# Allegro board Learn.brd (continued)
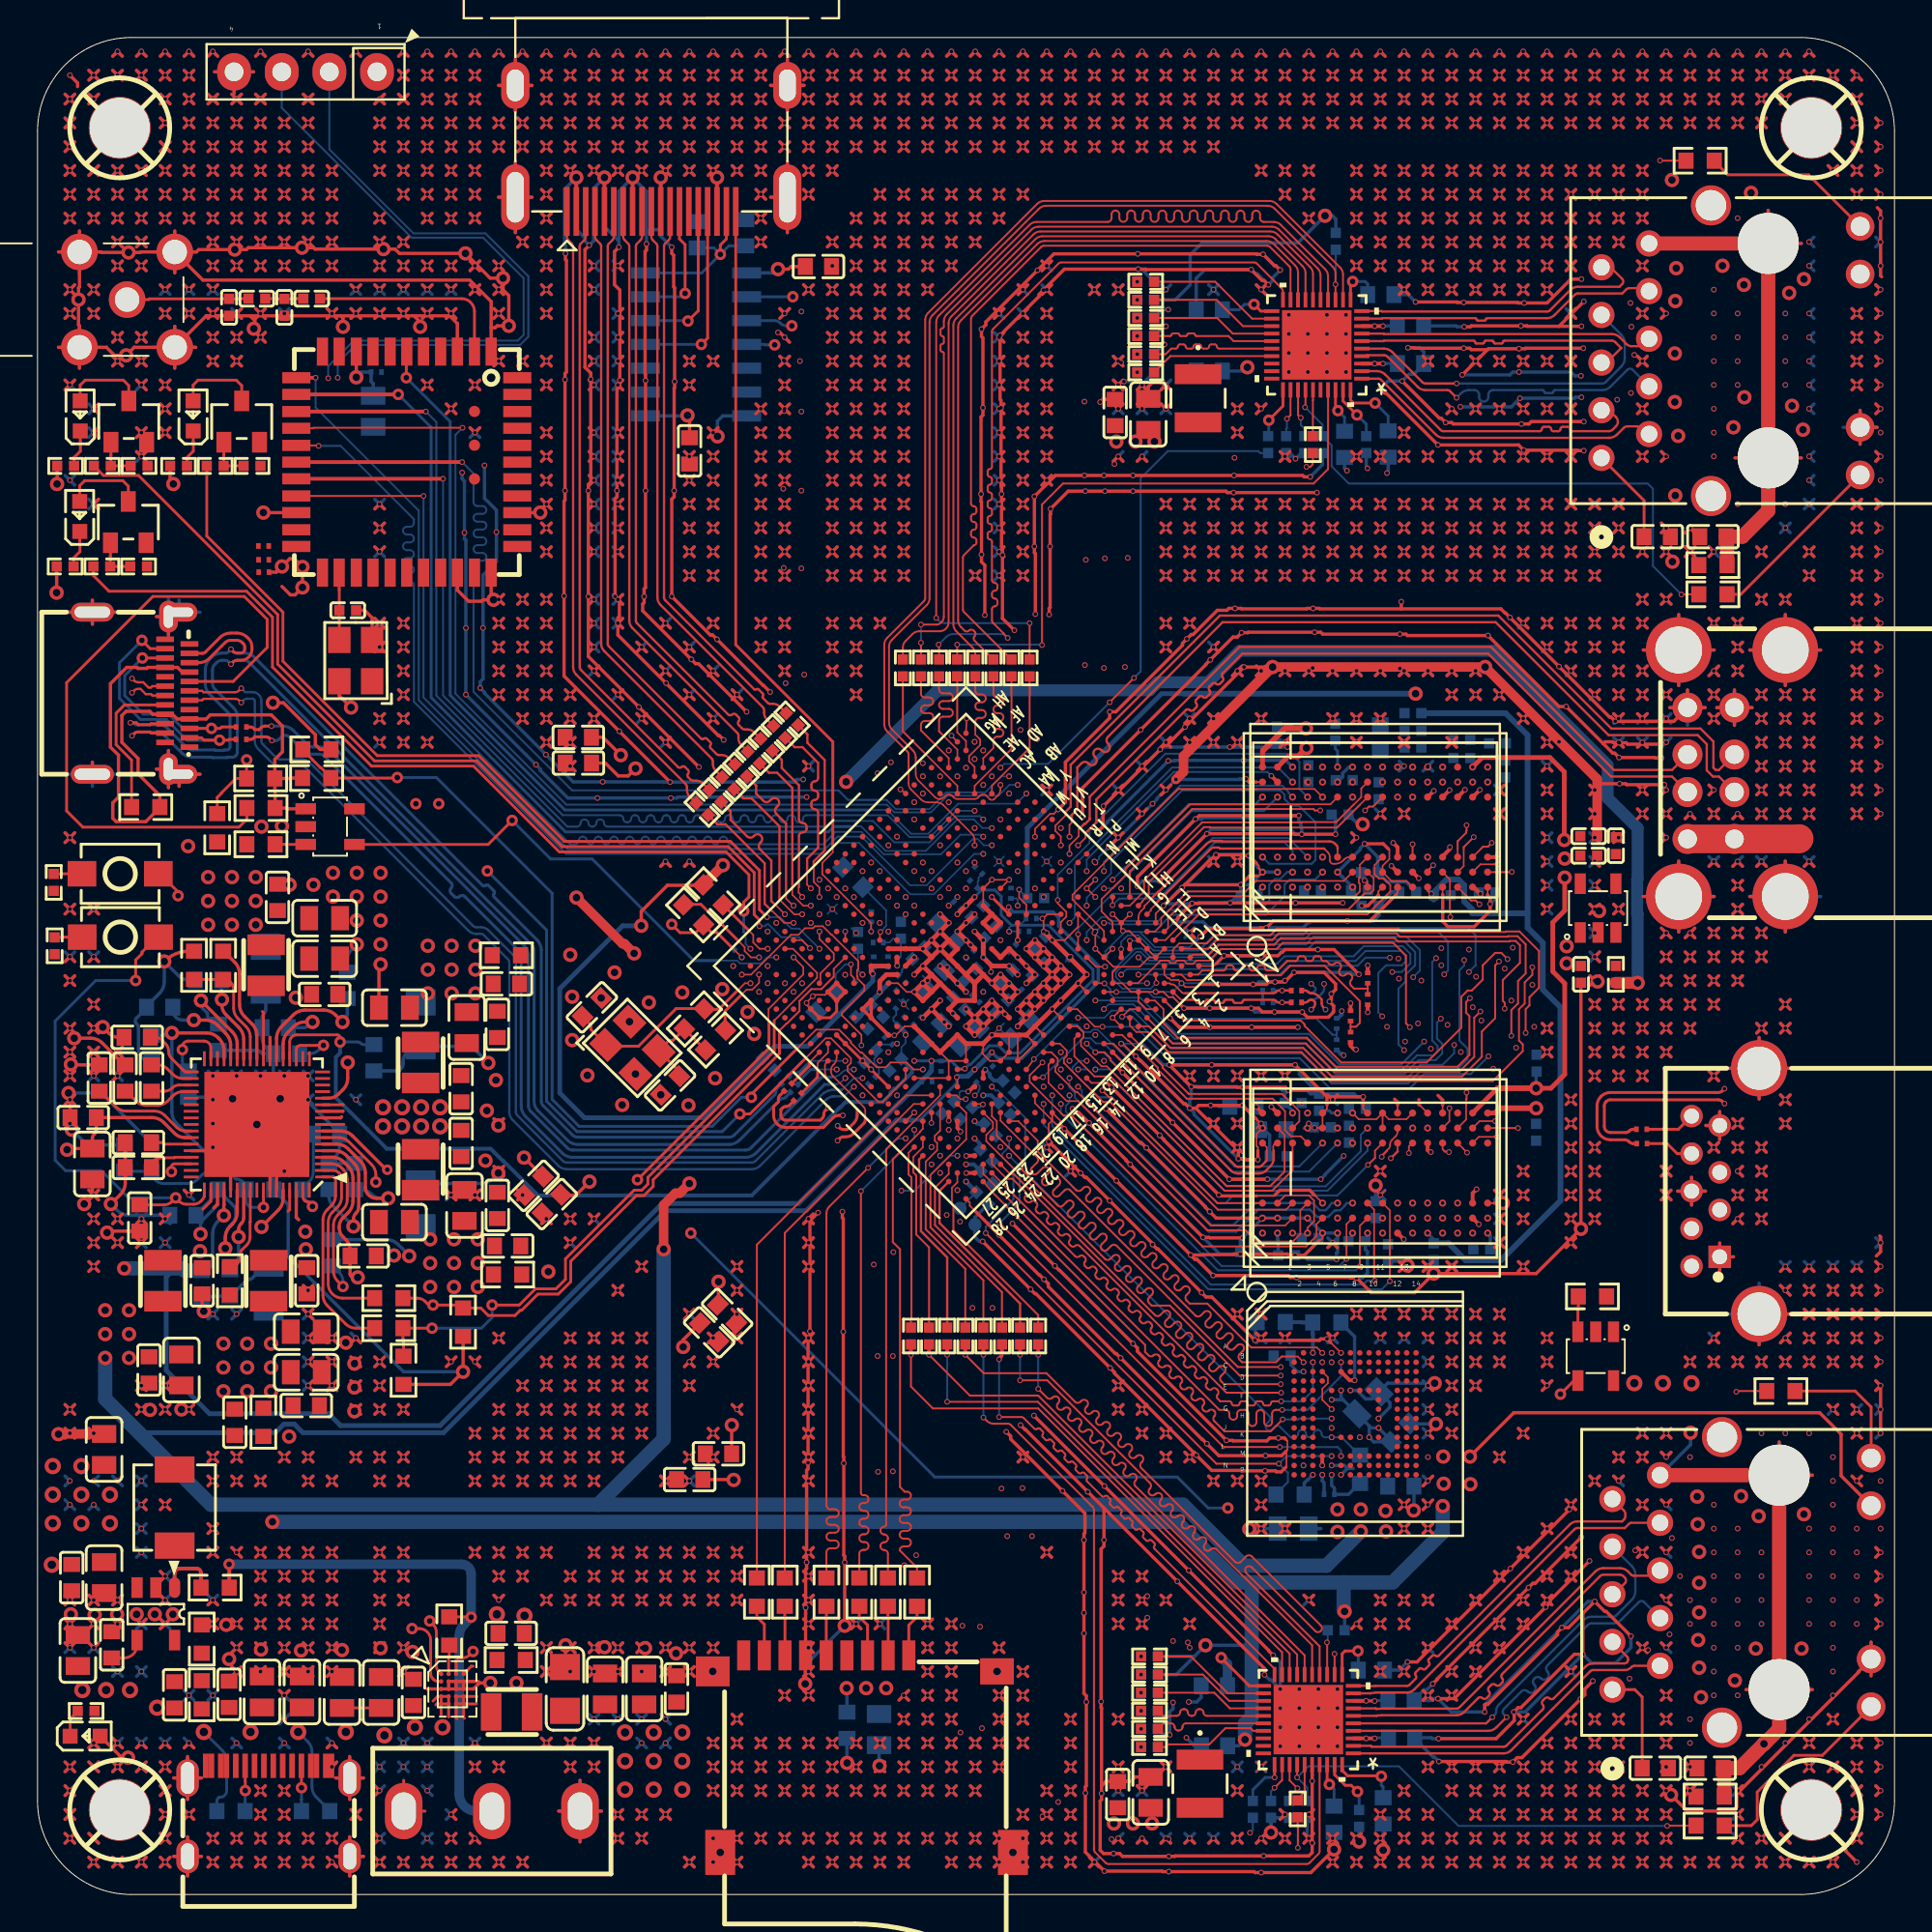
[diagram p0: board, top side]
## Routing (per net, layer and track width the routed paths; a pad name or vN(x,y) marks a point on that pad's centre or on a via; arc(x,y) is an arc through that point) (continued)
46.43,3.25 ; v1(46.17,2.99) 45.92,2.74 ; 75.13,89.61 v1(75.38,89.35) ; v1(75.38,89.35) 75.64,89.1 ; v1(75.38,89.35) 75.13,89.1 ; v1(75.38,89.35) 75.64,89.61 ; 9.09,87.07 v1(9.34,86.81) ; v1(9.34,86.81) 9.6,86.56 ; v1(9.34,86.81) 9.6,87.07 ; v1(9.34,86.81) 9.09,86.56 ; v1(28.39,93.16) 28.65,92.91 ; v1(28.39,93.16) 28.65,93.42 ; v1(28.39,93.16) 28.14,93.42 ; v1(28.39,93.16) 28.14,92.91 ; 97.99,7.06 v1(98.24,6.8) ; v1(98.24,6.8) 98.5,7.06 ; v1(98.24,6.8) 97.99,6.55 ; v1(98.24,6.8) 98.5,6.55 ; 71.32,97.99 v1(71.57,98.24) ; v1(71.57,98.24) 71.83,98.5 ; v1(71.57,98.24) 71.83,97.99 ; v1(71.57,98.24) 71.32,98.5 ; 71.32,91.64 v1(71.57,91.89) ; v1(71.57,91.89) 71.83,91.64 ; v1(71.57,91.89) 71.83,92.15 ; v1(71.57,91.89) 71.32,92.15 ; 64.97,30.68 v1(65.22,30.93) ; v1(65.22,30.93) 65.48,31.19 ; v1(65.22,30.93) 64.97,31.19 ; v1(65.22,30.93) 65.48,30.68 ; v1(8.07,94.43) 8.33,94.18 ; v1(8.07,94.43) 7.82,94.18 ; v1(8.07,94.43) 7.82,94.69 ; v1(8.07,94.43) 8.33,94.69 ; 75.13,14.68 v1(75.38,14.42) ; v1(75.38,14.42) 75.64,14.68 ; v1(75.38,14.42) 75.13,14.17 ; v1(75.38,14.42) 75.64,14.17 ; v1(30.93,63.95) 31.19,63.7 ; v1(30.93,63.95) 31.19,64.21 ; v1(30.93,63.95) 30.68,64.21 ; v1(30.93,63.95) 30.68,63.7 ; v1(96.97,80.46) 97.23,80.21 ; v1(96.97,80.46) 96.72,80.72 ; v1(96.97,80.46) 97.23,80.72 ; v1(96.97,80.46) 96.72,80.21 ; 35.76,91.64 v1(36.01,91.89) ; v1(36.01,91.89) 36.27,91.64 ; v1(36.01,91.89) 35.76,92.15 ; v1(36.01,91.89) 36.27,92.15 ; v1(98.24,33.47) 98.5,33.22 ; v1(98.24,33.47) 98.5,33.73 ; v1(98.24,33.47) 97.99,33.73 ; v1(98.24,33.47) 97.99,33.22 ; 14.17,90.37 v1(14.42,90.62) ; v1(14.42,90.62) 14.68,90.37 ; v1(14.42,90.62) 14.68,90.88 ; v1(14.42,90.62) 14.17,90.88 ; v1(47.44,86.81) 47.7,86.56 ; v1(47.44,86.81) 47.19,87.07 ; v1(47.44,86.81) 47.7,87.07 ; v1(47.44,86.81) 47.19,86.56 ; 68.78,29.92 v1(69.03,29.66) ; v1(69.03,29.66) 68.78,29.41 ; v1(69.03,29.66) 69.29,29.92 ; v1(69.03,29.66) 69.29,29.41 ; v1(90.62,95.7) 90.88,95.45 ; v1(90.62,95.7) 90.37,95.96 ; v1(90.62,95.7) 90.37,95.45 ; v1(90.62,95.7) 90.88,95.96 ; 66.24,97.23 v1(66.49,96.97) ; v1(66.49,96.97) 66.75,96.72 ; v1(66.49,96.97) 66.75,97.23 ; v1(66.49,96.97) 66.24,96.72 ; 59.89,15.44 v1(60.14,15.69) ; v1(60.14,15.69) 60.4,15.44 ; v1(60.14,15.69) 60.4,15.95 ; v1(60.14,15.69) 59.89,15.95 ; 47.19,95.45 v1(47.44,95.7) ; v1(47.44,95.7) 47.7,95.96 ; v1(47.44,95.7) 47.7,95.45 ; v1(47.44,95.7) 47.19,95.96 ; 49.73,70.05 v1(49.98,70.3) ; v1(49.98,70.3) 49.73,70.56 ; v1(49.98,70.3) 50.24,70.56 ; v1(49.98,70.3) 50.24,70.05 ; 82.75,47.19 v1(83,47.44) ; v1(83,47.44) 83.26,47.19 ; v1(83,47.44) 82.75,47.7 ; v1(83,47.44) 83.26,47.7 ; 10.36,3.25 v1(10.61,2.99) ; v1(10.61,2.99) 10.87,2.74 ; v1(10.61,2.99) 10.87,3.25 ; v1(10.61,2.99) 10.36,2.74 ; 72.59,92.15 v1(72.84,91.89) ; v1(72.84,91.89) 72.59,91.64 ; v1(72.84,91.89) 73.1,91.64 ; v1(72.84,91.89) 73.1,92.15 ; v1(52.52,70.3) 52.78,70.05 ; v1(52.52,70.3) 52.27,70.05 ; v1(52.52,70.3) 52.78,70.56 ; v1(52.52,70.3) 52.27,70.56 ; v1(65.22,65.22) 65.48,64.97 ; v1(65.22,65.22) 64.97,65.48 ; v1(65.22,65.22) 64.97,64.97 ; v1(65.22,65.22) 65.48,65.48 ; v1(88.08,28.39) 88.34,28.14 ; v1(88.08,28.39) 87.83,28.14 ; v1(88.08,28.39) 88.34,28.65 ; v1(88.08,28.39) 87.83,28.65 ; v1(53.79,95.7) 54.05,95.45 ; v1(53.79,95.7) 54.05,95.96 ; v1(53.79,95.7) 53.54,95.96 ; v1(53.79,95.7) 53.54,95.45 ; 53.54,84.02 v1(53.79,84.27) ; v1(53.79,84.27) 54.05,84.02 ; v1(53.79,84.27) 54.05,84.53 ; v1(53.79,84.27) 53.54,84.53 ; v1(60.14,61.41) 60.4,61.16 ; v1(60.14,61.41) 59.89,61.16 ; v1(60.14,61.41) 60.4,61.67 ; v1(60.14,61.41) 59.89,61.67 ; v1(86.81,38.55) 87.07,38.3 ; v1(86.81,38.55) 87.07,38.81 ; v1(86.81,38.55) 86.56,38.81 ; v1(86.81,38.55) 86.56,38.3 ; v1(55.06,5.53) 55.32,5.28 ; v1(55.06,5.53) 54.81,5.28 ; v1(55.06,5.53) 55.32,5.79 ; v1(55.06,5.53) 54.81,5.79 ; v1(76.65,5.53) 76.91,5.79 ; v1(76.65,5.53) 76.91,5.28 ; v1(76.65,5.53) 76.4,5.79 ; v1(76.65,5.53) 76.4,5.28 ; 91.64,28.14 v1(91.89,28.39) ; v1(91.89,28.39) 91.64,28.65 ; v1(91.89,28.39) 92.15,28.14 ; v1(91.89,28.39) 92.15,28.65 ; v1(42.36,74.11) 42.62,73.86 ; v1(42.36,74.11) 42.11,74.37 ; v1(42.36,74.11) 42.62,74.37 ; v1(42.36,74.11) 42.11,73.86 ; 63.7,94.69 v1(63.95,94.43) ; v1(63.95,94.43) 64.21,94.18 ; v1(63.95,94.43) 63.7,94.18 ; v1(63.95,94.43) 64.21,94.69 ; 34.49,18.49 v1(34.74,18.23) ; v1(34.74,18.23) 35,18.49 ; v1(34.74,18.23) 35,17.98 ; v1(34.74,18.23) 34.49,17.98 ; v1(79.19,6.8) 79.45,6.55 ; v1(79.19,6.8) 78.94,6.55 ; v1(79.19,6.8) 78.94,7.06 ; v1(79.19,6.8) 79.45,7.06 ; v1(42.36,2.99) 42.62,2.74 ; v1(42.36,2.99) 42.11,2.74 ; v1(42.36,2.99) 42.11,3.25 ; v1(42.36,2.99) 42.62,3.25 ; 97.99,5.79 v1(98.24,5.53) ; v1(98.24,5.53) 98.5,5.79 ; v1(98.24,5.53) 98.5,5.28 ; v1(98.24,5.53) 97.99,5.28 ; v1(6.8,77.92) 7.06,77.67 ; v1(6.8,77.92) 6.55,78.18 ; v1(6.8,77.92) 7.06,78.18 ; v1(6.8,77.92) 6.55,77.67 ; v1(34.74,23.31) 35,23.06 ; v1(34.74,23.31) 35,23.57 ; v1(34.74,23.31) 34.49,23.06 ; v1(34.74,23.31) 34.49,23.57 ; v1(96.97,5.53) 97.23,5.79 ; v1(96.97,5.53) 96.72,5.79 ; v1(96.97,5.53) 97.23,5.28 ; v1(96.97,5.53) 96.72,5.28 ; 97.99,21.79 v1(98.24,22.04) ; v1(98.24,22.04) 98.5,21.79 ; v1(98.24,22.04) 98.5,22.3 ; v1(98.24,22.04) 97.99,22.3 ; v1(28.39,8.07) 28.65,7.82 ; v1(28.39,8.07) 28.65,8.33 ; v1(28.39,8.07) 28.14,7.82 ; v1(28.39,8.07) 28.14,8.33 ; v1(1.72,96.97) 1.98,96.72 ; v1(1.72,96.97) 1.98,97.23 ; v1(1.72,96.97) 1.47,96.72 ; 82.75,57.35 v1(83,57.6) ; v1(83,57.6) 83.26,57.86 ; v1(83,57.6) 82.75,57.86 ; v1(83,57.6) 83.26,57.35 ; 14.17,92.15 v1(14.42,91.89) ; v1(14.42,91.89) 14.17,91.64 ; v1(14.42,91.89) 14.68,92.15 ; v1(14.42,91.89) 14.68,91.64 ; v1(32.2,28.39) 32.46,28.65 ; v1(32.2,28.39) 31.95,28.65 ; v1(32.2,28.39) 31.95,28.14 ; v1(32.2,28.39) 32.46,28.14 ; 86.56,94.69 v1(86.81,94.43) ; v1(86.81,94.43) 86.56,94.18 ; v1(86.81,94.43) 87.07,94.69 ; v1(86.81,94.43) 87.07,94.18 ; 45.92,10.36 v1(46.17,10.61) ; v1(46.17,10.61) 45.92,10.87 ; v1(46.17,10.61) 46.43,10.36 ; v1(46.17,10.61) 46.43,10.87 ; 90.37,98.5 v1(90.62,98.24) ; v1(90.62,98.24) 90.37,97.99 ; v1(90.62,98.24) 90.88,97.99 ; v1(90.62,98.24) 90.88,98.5 ; v1(75.38,76.65) 75.64,76.4 ; v1(75.38,76.65) 75.13,76.4 ; v1(75.38,76.65) 75.13,76.91 ; v1(75.38,76.65) 75.64,76.91 ; v1(23.31,8.07) 23.57,7.82 ; v1(23.31,8.07) 23.06,7.82 ; v1(23.31,8.07) 23.57,8.33 ; v1(23.31,8.07) 23.06,8.33 ; v1(74.11,88.08) 74.37,88.34 ; v1(74.11,88.08) 73.86,87.83 ; v1(74.11,88.08) 74.37,87.83 ; v1(74.11,88.08) 73.86,88.34 ; 7.54,59.07 U17.C3 8.66,59.72 ; 72.59,15.95 v1(72.84,15.69) ; v1(72.84,15.69) 72.59,15.44 ; v1(72.84,15.69) 73.1,15.44 ; v1(72.84,15.69) 73.1,15.95 ; v1(62.68,93.16) 62.94,92.91 ; v1(62.68,93.16) 62.94,93.42 ; v1(62.68,93.16) 62.43,93.42 ; v1(62.68,93.16) 62.43,92.91 ; v1(34.74,11.88) 35,12.14 ; v1(34.74,11.88) 35,11.63 ; v1(34.74,11.88) 34.49,12.14 ; v1(34.74,11.88) 34.49,11.63 ; 21.79,84.53 v1(22.04,84.27) ; v1(22.04,84.27) 21.79,84.02 ; v1(22.04,84.27) 22.3,84.02 ; v1(22.04,84.27) 22.3,84.53 ; v1(27.12,61.41) 27.38,61.67 ; v1(27.12,61.41) 27.38,61.16 ; v1(27.12,61.41) 26.87,61.67 ; v1(27.12,61.41) 26.87,61.16 ; 67.51,90.37 v1(67.76,90.62) ; v1(67.76,90.62) 68.02,90.37 ; v1(67.76,90.62) 67.51,90.88 ; v1(67.76,90.62) 68.02,90.88 ; 84.02,4.52 v1(84.27,4.26) ; v1(84.27,4.26) 84.02,4.01 ; v1(84.27,4.26) 84.53,4.52 ; v1(84.27,4.26) 84.53,4.01 ; 35.76,3.25 v1(36.01,2.99) ; v1(36.01,2.99) 36.27,2.74 ; v1(36.01,2.99) 36.27,3.25 ; v1(36.01,2.99) 35.76,2.74 ; 80.21,88.34 v1(80.46,88.08) ; v1(80.46,88.08) 80.72,88.34 ; v1(80.46,88.08) 80.21,87.83 ; v1(80.46,88.08) 80.72,87.83 ; 64.97,96.72 v1(65.22,96.97) ; v1(65.22,96.97) 64.97,97.23 ; v1(65.22,96.97) 65.48,97.23 ; v1(65.22,96.97) 65.48,96.72 ; v1(98.24,67.76) 98.5,68.02 ; v1(98.24,67.76) 97.99,68.02 ; v1(98.24,67.76) 98.5,67.51 ; v1(98.24,67.76) 97.99,67.51 ; 62.43,21.79 v1(62.68,22.04) ; v1(62.68,22.04) 62.94,21.79 ; v1(62.68,22.04) 62.43,22.3 ; v1(62.68,22.04) 62.94,22.3 ; 17.98,14.68 v1(18.23,14.42) ; v1(18.23,14.42) 17.98,14.17 ; v1(18.23,14.42) 18.49,14.17 ; v1(18.23,14.42) 18.49,14.68 ; 57.35,94.18 v1(57.6,94.43) ; v1(57.6,94.43) 57.35,94.69 ; v1(57.6,94.43) 57.86,94.69 ; v1(57.6,94.43) 57.86,94.18 ; 40.84,11.63 v1(41.09,11.88) ; v1(41.09,11.88) 41.35,12.14 ; v1(41.09,11.88) 40.84,12.14 ; v1(41.09,11.88) 41.35,11.63 ; v1(41.09,24.58) 41.35,24.84 ; v1(41.09,24.58) 40.84,24.84 ; v1(41.09,24.58) 40.84,24.33 ; v1(41.09,24.58) 41.35,24.33 ; 70.05,87.07 v1(70.3,86.81) ; v1(70.3,86.81) 70.56,87.07 ; v1(70.3,86.81) 70.56,86.56 ; v1(70.3,86.81) 70.05,86.56 ; 77.67,4.52 v1(77.92,4.26) ; v1(77.92,4.26) 77.67,4.01 ; v1(77.92,4.26) 78.18,4.52 ; v1(77.92,4.26) 78.18,4.01 ; 9.09,97.99 v1(9.34,98.24) ; v1(9.34,98.24) 9.6,97.99 ; v1(9.34,98.24) 9.09,98.5 ; v1(9.34,98.24) 9.6,98.5 ; v1(76.65,86.81) 76.91,87.07 ; v1(76.65,86.81) 76.91,86.56 ; v1(76.65,86.81) 76.4,87.07 ; v1(76.65,86.81) 76.4,86.56 ; v1(33.47,16.96) 33.73,16.71 ; v1(33.47,16.96) 33.22,16.71 ; v1(33.47,16.96) 33.22,17.22 ; v1(33.47,16.96) 33.73,17.22 ; 15.44,1.47 v1(15.69,1.72) ; v1(15.69,1.72) 15.95,1.47 ; v1(15.69,1.72) 15.44,1.98 ; v1(5.53,11.88) 5.79,12.14 ; v1(5.53,11.88) 5.28,12.14 ; v1(5.53,11.88) 5.79,11.63 ; v1(5.53,11.88) 5.28,11.63 ; v1(44.9,93.16) 45.16,92.91 ; v1(44.9,93.16) 45.16,93.42 ; v1(44.9,93.16) 44.65,92.91 ; v1(44.9,93.16) 44.65,93.42 ; v1(98.24,83) 98.5,83.26 ; v1(98.24,83) 97.99,82.75 ; v1(98.24,83) 98.5,82.75 ; v1(98.24,83) 97.99,83.26 ; 20.52,7.82 v1(20.77,8.07) ; v1(20.77,8.07) 20.52,8.33 ; v1(20.77,8.07) 21.03,7.82 ; v1(20.77,8.07) 21.03,8.33 ; 7.82,26.11 v1(8.07,25.85) ; v1(8.07,25.85) 8.33,25.6 ; v1(8.07,25.85) 8.33,26.11 ; v1(8.07,25.85) 7.82,25.6 ; 26.87,95.45 v1(27.12,95.7) ; v1(27.12,95.7) 26.87,95.96 ; v1(27.12,95.7) 27.38,95.96 ; v1(27.12,95.7) 27.38,95.45 ; v1(86.81,6.8) 87.07,7.06 ; v1(86.81,6.8) 86.56,7.06 ; v1(86.81,6.8) 87.07,6.55 ; v1(86.81,6.8) 86.56,6.55 ; 64.97,95.96 v1(65.22,95.7) ; v1(65.22,95.7) 64.97,95.45 ; v1(65.22,95.7) 65.48,95.45 ; v1(65.22,95.7) 65.48,95.96 ; 37.03,29.41 v1(37.28,29.66) ; v1(37.28,29.66) 37.54,29.92 ; v1(37.28,29.66) 37.03,29.92 ; v1(37.28,29.66) 37.54,29.41 ; v1(65.22,6.8) 65.48,6.55 ; v1(65.22,6.8) 64.97,6.55 ; v1(65.22,6.8) 64.97,7.06 ; v1(65.22,6.8) 65.48,7.06 ; 34.49,71.32 v1(34.74,71.57) ; v1(34.74,71.57) 34.49,71.83 ; v1(34.74,71.57) 35,71.32 ; v1(34.74,71.57) 35,71.83 ; v1(66.49,4.26) 66.75,4.52 ; v1(66.49,4.26) 66.75,4.01 ; v1(66.49,4.26) 66.24,4.01 ; v1(66.49,4.26) 66.24,4.52 ; 62.43,41.35 v1(62.68,41.09) ; v1(62.68,41.09) 62.43,40.84 ; v1(62.68,41.09) 62.94,41.35 ; v1(62.68,41.09) 62.94,40.84 ; v1(43.63,66.49) 43.89,66.24 ; v1(43.63,66.49) 43.38,66.75 ; v1(43.63,66.49) 43.89,66.75 ; v1(43.63,66.49) 43.38,66.24 ; 48.46,97.99 v1(48.71,98.24) ; v1(48.71,98.24) 48.46,98.5 ; v1(48.71,98.24) 48.97,97.99 ; v1(48.71,98.24) 48.97,98.5 ; 43.38,3.25 v1(43.63,2.99) ; v1(43.63,2.99) 43.89,2.74 ; v1(43.63,2.99) 43.38,2.74 ; v1(43.63,2.99) 43.89,3.25 ; 81.48,1.47 v1(81.73,1.72) ; v1(81.73,1.72) 81.48,1.98 ; v1(81.73,1.72) 81.99,1.98 ; v1(81.73,1.72) 81.99,1.47 ; v1(74.11,76.65) 74.37,76.4 ; v1(74.11,76.65) 74.37,76.91 ; v1(74.11,76.65) 73.86,76.91 ; v1(74.11,76.65) 73.86,76.4 ; v1(41.09,33.47) 41.35,33.73 ; v1(41.09,33.47) 41.35,33.22 ; v1(41.09,33.47) 40.84,33.73 ; v1(41.09,33.47) 40.84,33.22 ; v1(80.46,5.53) 80.72,5.28 ; v1(80.46,5.53) 80.72,5.79 ; v1(80.46,5.53) 80.21,5.79 ; v1(80.46,5.53) 80.21,5.28 ; 40.84,16.71 v1(41.09,16.96) ; v1(41.09,16.96) 40.84,17.22 ; v1(41.09,16.96) 41.35,17.22 ; v1(41.09,16.96) 41.35,16.71 ; v1(44.9,83) 45.16,83.26 ; v1(44.9,83) 44.65,82.75 ; v1(44.9,83) 45.16,82.75 ; v1(44.9,83) 44.65,83.26 ; v1(74.11,81.73) 74.37,81.99 ; v1(74.11,81.73) 73.86,81.99 ; v1(74.11,81.73) 73.86,81.48 ; v1(74.11,81.73) 74.37,81.48 ; 34.49,31.19 v1(34.74,30.93) ; v1(34.74,30.93) 35,30.68 ; v1(34.74,30.93) 34.49,30.68 ; v1(34.74,30.93) 35,31.19 ; 66.24,71.32 v1(66.49,71.57) ; v1(66.49,71.57) 66.75,71.83 ; v1(66.49,71.57) 66.24,71.83 ; v1(66.49,71.57) 66.75,71.32 ; 61.16,14.17 v1(61.41,14.42) ; v1(61.41,14.42) 61.67,14.68 ; v1(61.41,14.42) 61.67,14.17 ; v1(61.41,14.42) 61.16,14.68 ; v1(2.99,34.74) 3.25,34.49 ; v1(2.99,34.74) 3.25,35 ; v1(2.99,34.74) 2.74,35 ; v1(2.99,34.74) 2.74,34.49 ; 80.21,27.38 v1(80.46,27.12) ; v1(80.46,27.12) 80.72,27.38 ; v1(80.46,27.12) 80.21,26.87 ; v1(11.88,88.08) 12.14,87.83 ; v1(11.88,88.08) 11.63,87.83 ; v1(11.88,88.08) 11.63,88.34 ; v1(11.88,88.08) 12.14,88.34 ; 90.37,48.97 v1(90.62,48.71) ; v1(90.62,48.71) 90.37,48.46 ; v1(90.62,48.71) 90.88,48.97 ; v1(90.62,48.71) 90.88,48.46 ; 23.06,85.29 v1(23.31,85.54) ; v1(23.31,85.54) 23.06,85.8 ; v1(23.31,85.54) 23.57,85.29 ; v1(23.31,85.54) 23.57,85.8 ; v1(34.74,66.49) 35,66.75 ; v1(34.74,66.49) 34.49,66.75 ; v1(34.74,66.49) 34.49,66.24 ; v1(34.74,66.49) 35,66.24 ; 44.65,84.53 v1(44.9,84.27) ; v1(44.9,84.27) 45.16,84.02 ; v1(44.9,84.27) 45.16,84.53 ; v1(44.9,84.27) 44.65,84.02 ; v1(55.06,95.7) 55.32,95.96 ; v1(55.06,95.7) 55.32,95.45 ; v1(55.06,95.7) 54.81,95.96 ; v1(55.06,95.7) 54.81,95.45 ; v1(44.9,85.54) 45.16,85.29 ; v1(44.9,85.54) 44.65,85.8 ; v1(44.9,85.54) 45.16,85.8 ; v1(44.9,85.54) 44.65,85.29 ; v1(61.41,98.24) 61.67,97.99 ; v1(61.41,98.24) 61.16,98.5 ; v1(61.41,98.24) 61.67,98.5 ; v1(61.41,98.24) 61.16,97.99 ; v1(53.79,4.26) 54.05,4.01 ; v1(53.79,4.26) 54.05,4.52 ; v1(53.79,4.26) 53.54,4.52 ; v1(53.79,4.26) 53.54,4.01 ; 9.09,89.61 v1(9.34,89.35) ; v1(9.34,89.35) 9.09,89.1 ; v1(9.34,89.35) 9.6,89.61 ; v1(9.34,89.35) 9.6,89.1 ; 5.28,83.26 v1(5.53,83) ; v1(5.53,83) 5.79,83.26 ; v1(5.53,83) 5.79,82.75 ; v1(5.53,83) 5.28,82.75 ; 42.11,78.94 v1(42.36,79.19) ; v1(42.36,79.19) 42.11,79.45 ; v1(42.36,79.19) 42.62,78.94 ; v1(42.36,79.19) 42.62,79.45 ; v1(6.8,36.01) 7.06,36.27 ; v1(6.8,36.01) 6.55,36.27 ; v1(6.8,36.01) 6.55,35.76 ; v1(6.8,36.01) 7.06,35.76 ; 30.68,26.11 v1(30.93,25.85) ; v1(30.93,25.85) 31.19,25.6 ; v1(30.93,25.85) 30.68,25.6 ; v1(30.93,25.85) 31.19,26.11 ; v1(90.62,36.01) 90.88,35.76 ; v1(90.62,36.01) 90.37,36.27 ; v1(90.62,36.01) 90.88,36.27 ; v1(90.62,36.01) 90.37,35.76 ; 21.79,85.8 v1(22.04,85.54) ; v1(22.04,85.54) 22.3,85.8 ; v1(22.04,85.54) 21.79,85.29 ; v1(22.04,85.54) 22.3,85.29 ; v1(33.47,65.22) 33.73,64.97 ; v1(33.47,65.22) 33.73,65.48 ; v1(33.47,65.22) 33.22,65.48 ; v1(33.47,65.22) 33.22,64.97 ; v1(56.33,1.72) 56.59,1.47 ; v1(56.33,1.72) 56.08,1.98 ; v1(56.33,1.72) 56.08,1.47 ; v1(56.33,1.72) 56.59,1.98 ; v1(18.23,86.81) 18.49,87.07 ; v1(18.23,86.81) 18.49,86.56 ; v1(18.23,86.81) 17.98,86.56 ; v1(18.23,86.81) 17.98,87.07 ; 15.44,12.14 v1(15.69,11.88) ; v1(15.69,11.88) 15.95,12.14 ; v1(15.69,11.88) 15.95,11.63 ; v1(15.69,11.88) 15.44,11.63 ; v1(85.54,61.41) 85.8,61.16 ; v1(85.54,61.41) 85.8,61.67 ; v1(85.54,61.41) 85.29,61.67 ; v1(85.54,61.41) 85.29,61.16 ; v1(23.31,77.92) 23.57,77.67 ; v1(23.31,77.92) 23.06,78.18 ; v1(23.31,77.92) 23.57,78.18 ; v1(23.31,77.92) 23.06,77.67 ; v1(90.62,65.22) 90.88,64.97 ; v1(90.62,65.22) 90.37,64.97 ; v1(90.62,65.22) 90.88,65.48 ; v1(90.62,65.22) 90.37,65.48 ; v1(33.47,67.76) 33.73,68.02 ; v1(33.47,67.76) 33.22,67.51 ; v1(33.47,67.76) 33.73,67.51 ; v1(33.47,67.76) 33.22,68.02 ; 87.83,50.24 v1(88.08,49.98) ; v1(88.08,49.98) 88.34,49.73 ; v1(88.08,49.98) 87.83,49.73 ; v1(88.08,49.98) 88.34,50.24 ; v1(25.85,94.43) 26.11,94.18 ; v1(25.85,94.43) 26.11,94.69 ; v1(25.85,94.43) 25.6,94.69 ; v1(25.85,94.43) 25.6,94.18 ; v1(29.66,62.68) 29.92,62.94 ; v1(29.66,62.68) 29.92,62.43 ; v1(29.66,62.68) 29.41,62.94 ; v1(29.66,62.68) 29.41,62.43 ; 44.65,70.05 v1(44.9,70.3) ; v1(44.9,70.3) 44.65,70.56 ; v1(44.9,70.3) 45.16,70.56 ; v1(44.9,70.3) 45.16,70.05 ; v1(29.66,98.24) 29.92,98.5 ; v1(29.66,98.24) 29.92,97.99 ; v1(29.66,98.24) 29.41,97.99 ; v1(29.66,98.24) 29.41,98.5 ; 38.3,77.67 v1(38.55,77.92) ; v1(38.55,77.92) 38.81,77.67 ; v1(38.55,77.92) 38.81,78.18 ; v1(38.55,77.92) 38.3,78.18 ; v1(32.2,33.47) 32.46,33.73 ; v1(32.2,33.47) 31.95,33.73 ; v1(32.2,33.47) 32.46,33.22 ; v1(32.2,33.47) 31.95,33.22 ; 35.76,23.57 v1(36.01,23.31) ; v1(36.01,23.31) 35.76,23.06 ; v1(36.01,23.31) 36.27,23.06 ; v1(36.01,23.31) 36.27,23.57 ; v1(29.66,27.12) 29.92,27.38 ; v1(29.66,27.12) 29.92,26.87 ; v1(29.66,27.12) 29.41,26.87 ; v1(29.66,27.12) 29.41,27.38 ; v1(80.46,96.97) 80.72,96.72 ; v1(80.46,96.97) 80.21,96.72 ; v1(80.46,96.97) 80.21,97.23 ; v1(80.46,96.97) 80.72,97.23 ; v1(15.69,28.39) 15.95,28.65 ; v1(15.69,28.39) 15.95,28.14 ; v1(15.69,28.39) 15.44,28.14 ; v1(15.69,28.39) 15.44,28.65 ; v1(19.5,85.54) 19.76,85.29 ; v1(19.5,85.54) 19.25,85.29 ; v1(19.5,85.54) 19.76,85.8 ; v1(19.5,85.54) 19.25,85.8 ; v1(75.38,1.72) 75.64,1.98 ; v1(75.38,1.72) 75.64,1.47 ; v1(75.38,1.72) 75.13,1.98 ; v1(75.38,1.72) 75.13,1.47 ; 58.62,26.11 v1(58.87,25.85) ; v1(58.87,25.85) 59.13,26.11 ; v1(58.87,25.85) 59.13,25.6 ; v1(58.87,25.85) 58.62,25.6 ; 87.83,94.18 v1(88.08,94.43) ; v1(88.08,94.43) 88.34,94.69 ; v1(88.08,94.43) 87.83,94.69 ; v1(88.08,94.43) 88.34,94.18 ; 52.27,1.98 v1(52.52,1.72) ; v1(52.52,1.72) 52.78,1.98 ; v1(52.52,1.72) 52.78,1.47 ; v1(52.52,1.72) 52.27,1.47 ; v1(86.81,8.07) 87.07,7.82 ; v1(86.81,8.07) 87.07,8.33 ; v1(86.81,8.07) 86.56,7.82 ; v1(86.81,8.07) 86.56,8.33 ; 72.59,1.47 v1(72.84,1.72) ; v1(72.84,1.72) 73.1,1.98 ; v1(72.84,1.72) 72.59,1.98 ; v1(72.84,1.72) 73.1,1.47 ; v1(39.82,74.11) 40.08,73.86 ; v1(39.82,74.11) 40.08,74.37 ; v1(39.82,74.11) 39.57,73.86 ; v1(39.82,74.11) 39.57,74.37 ; v1(34.74,16.96) 35,16.71 ; v1(34.74,16.96) 35,17.22 ; v1(34.74,16.96) 34.49,16.71 ; v1(34.74,16.96) 34.49,17.22 ; v1(70.3,61.41) 70.56,61.67 ; v1(70.3,61.41) 70.05,61.16 ; v1(70.3,61.41) 70.05,61.67 ; v1(70.3,61.41) 70.56,61.16 ; v1(81.73,91.89) 81.99,91.64 ; v1(81.73,91.89) 81.99,92.15 ; v1(81.73,91.89) 81.48,92.15 ; v1(81.73,91.89) 81.48,91.64 ; 25.6,67.51 v1(25.85,67.76) ; v1(25.85,67.76) 26.11,68.02 ; v1(25.85,67.76) 26.11,67.51 ; v1(25.85,67.76) 25.6,68.02 ; 90.37,68.02 v1(90.62,67.76) ; v1(90.62,67.76) 90.88,67.51 ; v1(90.62,67.76) 90.37,67.51 ; v1(90.62,67.76) 90.88,68.02 ; v1(75.38,6.8) 75.64,7.06 ; v1(75.38,6.8) 75.13,7.06 ; v1(75.38,6.8) 75.64,6.55 ; v1(75.38,6.8) 75.13,6.55 ; 38.3,96.72 v1(38.55,96.97) ; v1(38.55,96.97) 38.81,97.23 ; v1(38.55,96.97) 38.3,97.23 ; v1(38.55,96.97) 38.81,96.72 ; 38.3,3.25 v1(38.55,2.99) ; v1(38.55,2.99) 38.81,3.25 ; v1(38.55,2.99) 38.81,2.74 ; v1(38.55,2.99) 38.3,2.74 ; v1(10.61,86.81) 10.87,87.07 ; v1(10.61,86.81) 10.87,86.56 ; v1(10.61,86.81) 10.36,86.56 ; v1(10.61,86.81) 10.36,87.07 ; 84.02,66.75 v1(84.27,66.49) ; v1(84.27,66.49) 84.02,66.24 ; v1(84.27,66.49) 84.53,66.75 ; v1(84.27,66.49) 84.53,66.24 ; v1(41.09,13.15) 41.35,13.41 ; v1(41.09,13.15) 40.84,12.9 ; v1(41.09,13.15) 41.35,12.9 ; v1(41.09,13.15) 40.84,13.41 ; 45.92,76.4 v1(46.17,76.65) ; v1(46.17,76.65) 46.43,76.91 ; v1(46.17,76.65) 46.43,76.4 ; v1(46.17,76.65) 45.92,76.91 ; 80.21,58.62 v1(80.46,58.87) ; v1(80.46,58.87) 80.72,59.13 ; v1(80.46,58.87) 80.21,59.13 ; v1(80.46,58.87) 80.72,58.62 ; v1(13.15,18.23) 13.41,17.98 ; v1(13.15,18.23) 13.41,18.49 ; v1(13.15,18.23) 12.9,17.98 ; v1(13.15,18.23) 12.9,18.49 ; 39.57,84.02 v1(39.82,84.27) ; v1(39.82,84.27) 40.08,84.53 ; v1(39.82,84.27) 39.57,84.53 ; v1(94.43,32.2) 94.69,32.46 ; v1(94.43,32.2) 94.69,31.95 ; v1(94.43,32.2) 94.18,31.95 ; v1(94.43,32.2) 94.18,32.46 ; 77.67,94.18 v1(77.92,94.43) ; v1(77.92,94.43) 77.67,94.69 ; v1(77.92,94.43) 78.18,94.69 ; v1(77.92,94.43) 78.18,94.18 ; 31.95,15.95 v1(32.2,15.69) ; v1(32.2,15.69) 32.46,15.95 ; v1(32.2,15.69) 31.95,15.44 ; v1(32.2,15.69) 32.46,15.44 ; 7.82,84.53 v1(8.07,84.27) ; v1(8.07,84.27) 8.33,84.02 ; v1(8.07,84.27) 8.33,84.53 ; v1(8.07,84.27) 7.82,84.02 ; v1(34.74,63.95) 35,63.7 ; v1(34.74,63.95) 34.49,63.7 ; v1(34.74,63.95) 35,64.21 ; v1(34.74,63.95) 34.49,64.21 ; 42.11,82.75 v1(42.36,83) ; v1(42.36,83) 42.11,83.26 ; v1(42.36,83) 42.62,82.75 ; v1(42.36,83) 42.62,83.26 ; 42.11,75.13 v1(42.36,75.38) ; v1(42.36,75.38) 42.62,75.13 ; v1(42.36,75.38) 42.11,75.64 ; v1(42.36,75.38) 42.62,75.64 ; 73.86,90.37 v1(74.11,90.62) ; v1(74.11,90.62) 74.37,90.88 ; v1(74.11,90.62) 73.86,90.88 ; v1(74.11,90.62) 74.37,90.37 ; v1(61.41,96.97) 61.67,97.23 ; v1(61.41,96.97) 61.16,96.72 ; v1(61.41,96.97) 61.67,96.72 ; v1(61.41,96.97) 61.16,97.23 ; v1(62.68,94.43) 62.94,94.69 ; v1(62.68,94.43) 62.43,94.18 ; v1(62.68,94.43) 62.94,94.18 